# Allegro board reServer J2032_V1.brd (continued)
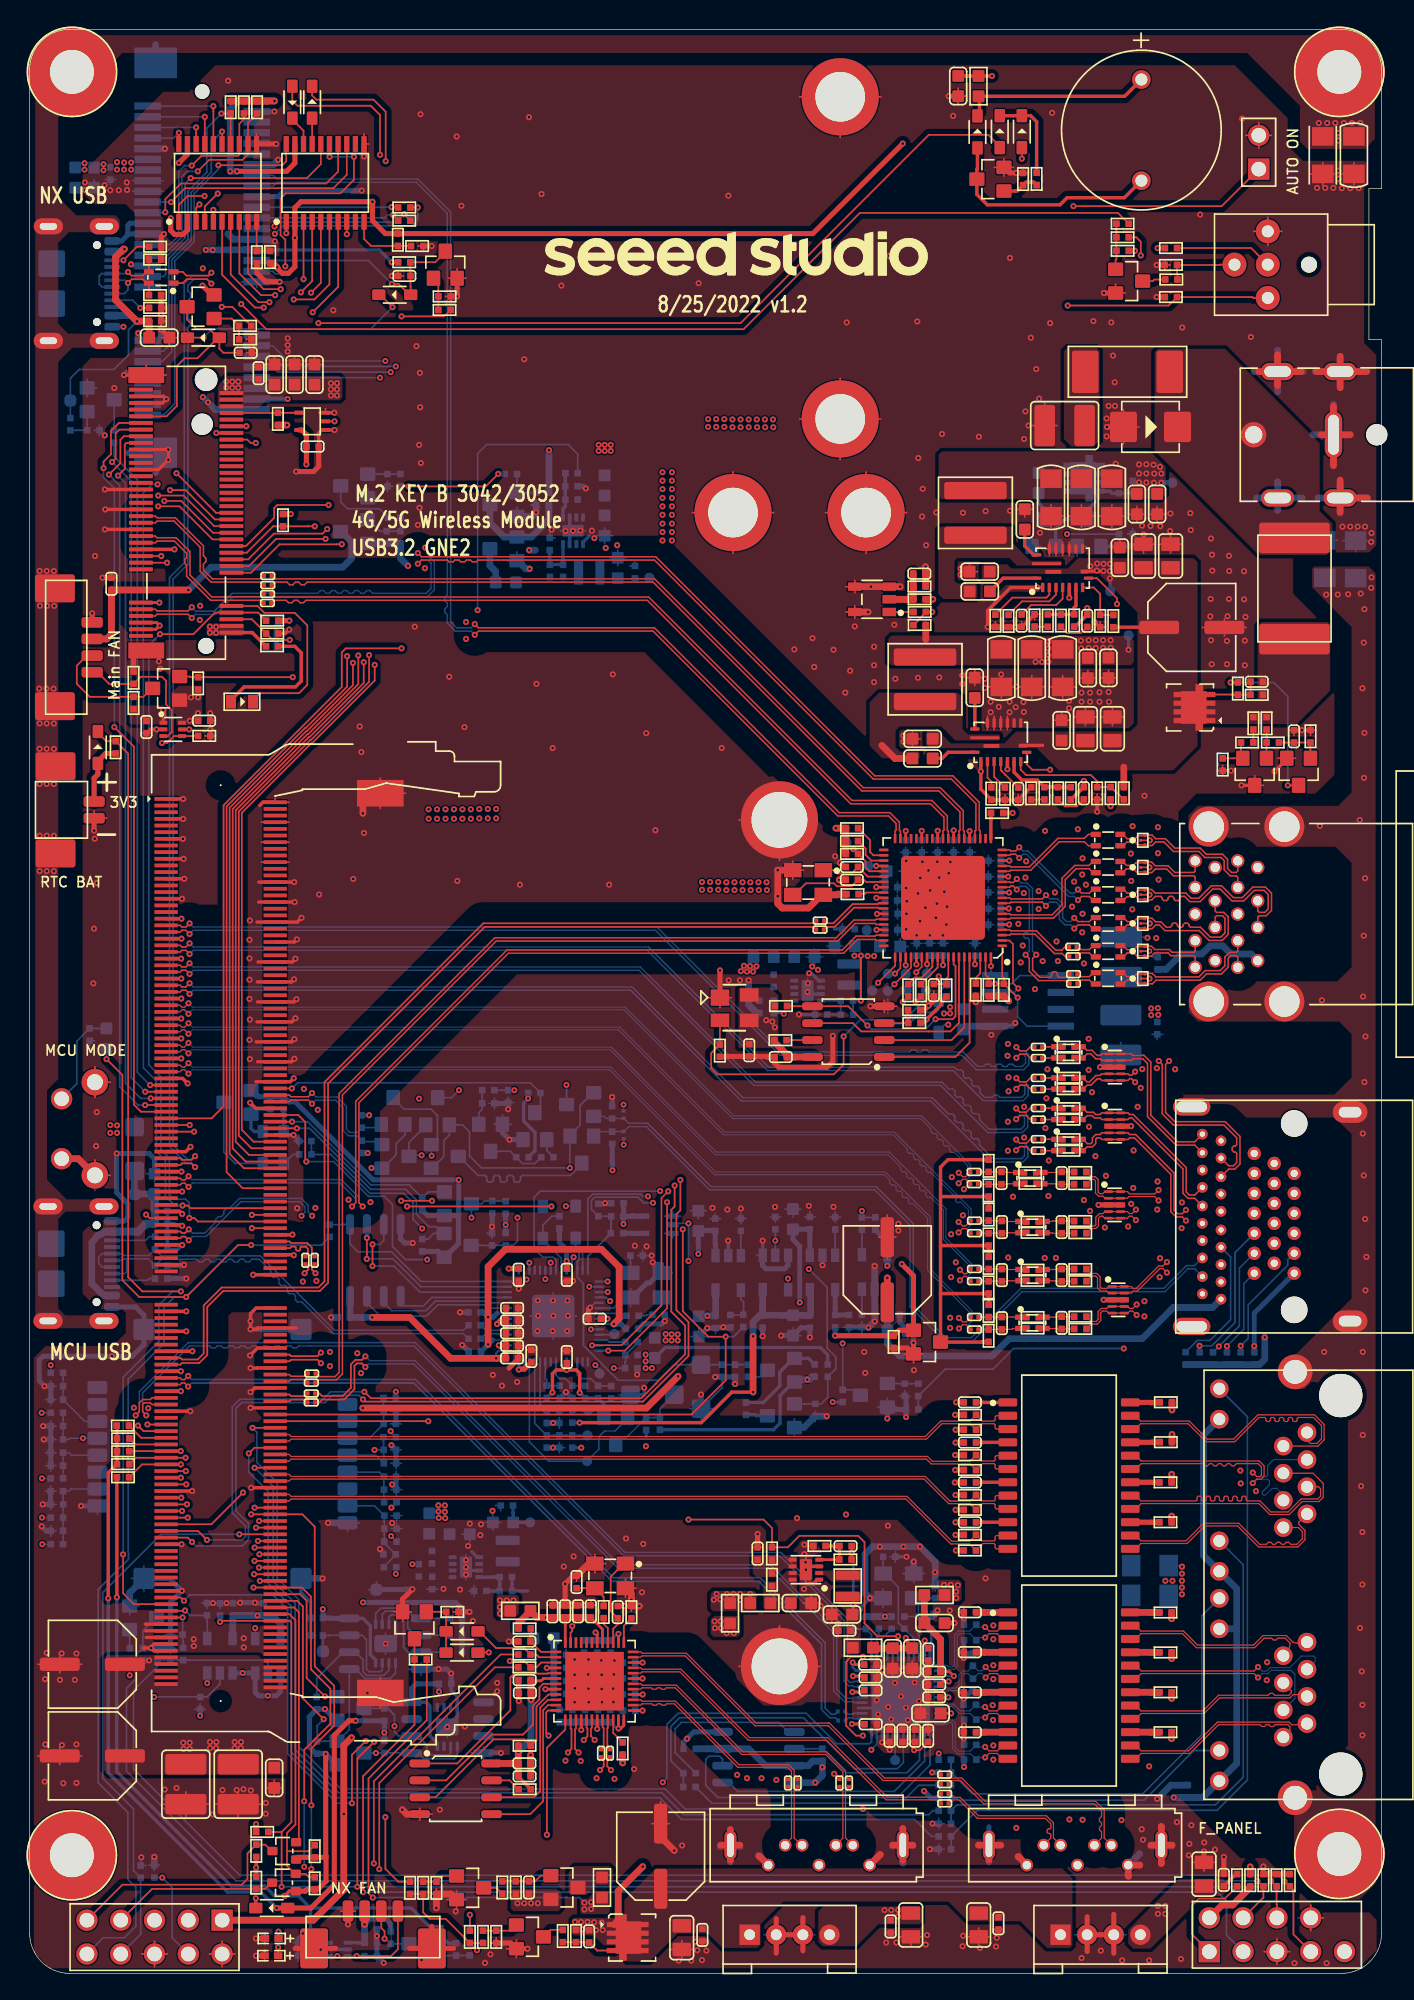
[diagram p0: board, top side]
## Routing (per net, layer and track width the routed paths; a pad name or vN(x,y) marks a point on that pad's centre or on a via; arc(x,y) is an arc through that point) (continued)
  LYR3 w0.121: 96.28,3.22 J4.8 ; J4.8 95.32,4.17 ; J4.8 96.28,5.13 ; J4.8 97.23,4.17 ; J8.7 90.79,80.24 ; J8.7 90.79,78.93 ; J8.7 91.45,79.59 ; J8.7 90.14,79.59 ; 86.94,79.59 J8.16 ; J8.16 87.59,80.24 ; J8.16 88.25,79.59 ; J8.16 87.59,78.93 ; MH5.1 60.92,119.84 ; MH5.1 60.92,113.73 ; MH5.1 63.97,116.79 ; MH5.1 57.86,116.79 ; J12.S2 85.65,9.63 ; J12.S2 85.05,10.89 ; J12.S2 84.45,9.63 ; J12.S2 85.05,8.38 ; J10.S1 53.26,9.63 ; J10.S1 52.06,9.63 ; J10.S1 52.66,8.38 ; J10.S1 52.66,10.89 ; SW2.3 4.9,68.11 ; SW2.3 6.05,66.96 ; SW2.3 4.9,65.8 ; MH2.1 56.35,89.72 ; MH2.1 59.4,86.66 ; MH2.1 56.35,83.61 ; MH2.1 53.3,86.66 ; J12.G1 74.94,8.76 ; J12.G1 75.57,8.13 ; J12.G1 74.31,8.13 ; J12.G1 74.94,7.51 ; 92.78,1.63 J4.5 ; J4.5 94.69,1.63 ; J4.5 93.74,0.68 ; J4.5 93.74,2.59 ; J2.6 10.34,1.45 ; J2.6 8.43,1.45 ; J2.6 9.38,0.5 ; J2.6 9.38,2.41 ; 63.13,7.51 J10.G3 ; J10.G3 62.5,8.13 ; J10.G3 63.76,8.13 ; J10.G3 63.13,8.76 ; 62.86,106.7 MH3.1 ; MH3.1 62.86,112.8 ; MH3.1 59.81,109.75 ; MH3.1 65.91,109.75 ; SW1.2 94.1,130.88 ; SW1.2 92,130.88 ; SW1.2 93.05,131.93 ; SW1.2 93.05,129.83 ; J10.G2 59.32,8.76 ; J10.G2 59.95,8.13 ; J10.G2 58.69,8.13 ; J10.G2 59.32,7.51 ; J10.S2 65.62,10.89 ; J10.S2 66.22,9.63 ; J10.S2 65.62,8.38 ; J10.S2 65.02,9.63 ; 92.29,82.43 J8.4 ; J8.4 92.95,83.09 ; J8.4 91.64,83.09 ; J21.2 92.37,139.05 ; J21.2 91.42,138.1 ; J21.2 93.32,138.1 ; J21.2 92.37,137.14 ; J9.2 56.11,3.82 ; J9.2 55.19,2.9 ; J9.2 57.02,2.9 ; J9.2 56.11,1.99 ; 78.75,7.51 J12.G2 ; J12.G2 79.38,8.13 ; J12.G2 78.75,8.76 ; J12.G2 78.12,8.13 ; MH6.1 52.86,112.8 ; MH6.1 49.81,109.75 ; MH6.1 55.91,109.75 ; MH6.1 52.86,106.7 ; 55.51,7.51 J10.G1 ; J10.G1 54.88,8.13 ; J10.G1 56.14,8.13 ; J10.G1 55.51,8.76 ; J12.G3 83.19,8.13 ; J12.G3 81.93,8.13 ; J12.G3 82.56,7.51 ; J12.G3 82.56,8.76 ; J11.3 81.48,3.82 ; J11.3 82.39,2.9 ; J11.3 81.48,1.99 ; J11.3 80.56,2.9 ; 60.92,137.93 MH4.1 ; MH4.1 57.86,140.99 ; MH4.1 63.97,140.99 ; 57.19,2.9 J9.3 ; J9.3 59.02,2.9 ; J9.3 58.11,3.82 ; J9.3 58.11,1.99 ; MH1.1 56.35,26.12 ; MH1.1 56.35,20.01 ; MH1.1 53.3,23.06 ; MH1.1 59.4,23.06 ; 4.9,61.11 SW2.4 6.05,59.96 ; J12.S1 72.69,9.63 ; J12.S1 71.49,9.63 ; J12.S1 72.09,8.38 ; J12.S1 72.09,10.89 ; 78.56,2.9 J11.2 ; J11.2 79.48,1.99 ; J11.2 79.48,3.82 ; J11.2 80.39,2.9 ; 14.46,0.5 J2.2 ; J2.2 15.42,1.45 ; J2.2 13.51,1.45 ; J2.2 14.46,2.41 ; J8.13 89.75,83.09 ; J8.13 89.09,82.43 ; J8.13 88.44,83.09
  LYR3 w0.381: v1(42.12,50.02) 42.71,49.43 42.71,48.41 43.37,47.76
  LYR3 w0.508: 100.45,110.85 J20.S1 ; J20.S1 96.64,110.85 ; J20.S1 98.49,112.17 ; J20.S1 98.49,109.59 ; 100.26,120.35 J20.S2 ; J20.S2 98.49,119.01 ; J20.S2 98.49,121.54 ; J20.S2 96.68,120.35 ; 96.74,115.6 J20.2 ; J20.2 97.99,118.05 ; J20.2 97.99,113.1 ; J20.2 99.43,115.6 ; 92.09,110.85 J20.S3 ; J20.S3 95.72,110.85 ; J20.S3 93.79,109.48 ; J20.S3 93.79,112.07 ; 91.91,120.35 J20.S4 ; J20.S4 95.65,120.35 ; J20.S4 93.79,119 ; J20.S4 93.79,121.7
  LYR5_GND w0.121: J2.6 10.34,1.45 ; J2.6 9.38,2.41 ; J2.6 9.38,0.5 ; J2.6 8.43,1.45 ; 65.62,10.89 J10.S2 65.62,8.38 ; 81.93,8.13 J12.G3 ; J12.G3 82.56,7.51 ; J12.G3 82.56,8.76 ; J12.G3 83.19,8.13 ; J13.B8 90.09,58.55 ; J13.B8 89.54,59.11 ; J13.B8 88.98,58.55 ; J13.B8 89.54,58 ; 88.14,59.8 J13.B5 ; J13.B5 87.58,60.35 ; J13.B5 88.14,60.91 ; J13.B5 88.69,60.35 ; MH4.1 63.97,140.99 ; MH4.1 60.92,137.93 ; MH4.1 57.86,140.99 ; J10.G1 56.14,8.13 ; J10.G1 55.51,8.76 ; J10.G1 55.51,7.51 ; J10.G1 54.88,8.13 ; 93.54,55.7 J13.A11 ; J13.A11 92.88,56.35 ; J13.A11 94.19,56.35 ; J13.A11 93.54,57.01 ; 91.42,138.1 J21.2 ; J21.2 93.32,138.1 ; J21.2 92.37,137.14 ; J21.2 92.37,139.05 ; 52.66,8.38 J10.S1 ; J10.S1 52.66,10.89 ; J10.S1 52.06,9.63 ; J10.S1 53.26,9.63 ; J13.A8 93.54,58.51 ; J13.A8 92.88,57.85 ; J13.A8 93.54,57.2 ; J13.A8 94.19,57.85 ; J13.B11 88.69,56.35 ; J13.B11 88.14,55.8 ; J13.B11 87.58,56.35 ; J13.B11 88.14,56.91 ; 89.54,62 J13.B2 ; J13.B2 89.54,63.11 ; J13.B2 90.09,62.55 ; J13.B2 88.98,62.55 ; 87.59,78.93 J8.16 ; J8.16 87.59,80.24 ; J8.16 86.94,79.59 ; J8.16 88.25,79.59 ; MH3.1 62.86,112.8 ; MH3.1 59.81,109.75 ; MH3.1 65.91,109.75 ; MH3.1 62.86,106.7 ; SW1.2 93.05,131.93 ; SW1.2 94.1,130.88 ; SW1.2 92,130.88 ; SW1.2 93.05,129.83 ; J13.A17 94.19,53.35 ; J13.A17 93.54,54.01 ; J13.A17 92.88,53.35 ; J13.A17 93.54,52.7 ; J12.G1 75.57,8.13 ; J12.G1 74.94,8.76 ; J12.G1 74.94,7.51 ; J12.G1 74.31,8.13 ; 92.88,60.85 J13.A2 ; J13.A2 93.54,60.2 ; J13.A2 93.54,61.51 ; J13.A2 94.19,60.85 ; J2.2 14.46,2.41 ; J2.2 15.42,1.45 ; J2.2 13.51,1.45 ; J2.2 14.46,0.5 ; 78.75,7.51 J12.G2 ; J12.G2 78.12,8.13 ; J12.G2 78.75,8.76 ; J12.G2 79.38,8.13 ; 52.86,106.7 MH6.1 ; MH6.1 52.86,112.8 ; MH6.1 49.81,109.75 ; MH6.1 55.91,109.75 ; J12.S1 72.09,10.89 ; J12.S1 72.09,8.38 ; J12.S1 72.69,9.63 ; J12.S1 71.49,9.63 ; 63.13,7.51 J10.G3 ; J10.G3 63.13,8.76 ; J10.G3 62.5,8.13 ; J10.G3 63.76,8.13 ; 53.3,23.06 MH1.1 ; MH1.1 56.35,20.01 ; MH1.1 56.35,26.12 ; MH1.1 59.4,23.06 ; J13.B19 88.14,51.61 ; J13.B19 87.58,51.05 ; J13.B19 88.14,50.5 ; J13.B19 88.69,51.05 ; J8.7 90.79,80.24 ; J8.7 90.14,79.59 ; J8.7 90.79,78.93 ; J8.7 91.45,79.59 ; J13.A5 94.19,59.35 ; J13.A5 93.54,58.7 ; J13.A5 93.54,60.01 ; J13.A5 92.88,59.35 ; J8.4 92.29,83.74 ; J8.4 92.95,83.09 ; J8.4 91.64,83.09 ; J8.4 92.29,82.43 ; 57.86,116.79 MH5.1 ; MH5.1 60.92,119.84 ; MH5.1 63.97,116.79 ; MH5.1 60.92,113.73 ; J8.13 89.75,83.09 ; J8.13 88.44,83.09 ; J8.13 89.09,83.74 ; J8.13 89.09,82.43 ; 6.05,59.96 SW2.4 4.9,61.11 ; MH2.1 56.35,89.72 ; MH2.1 56.35,83.61 ; MH2.1 53.3,86.66 ; MH2.1 59.4,86.66 ; J10.G2 59.95,8.13 ; J10.G2 59.32,7.51 ; J10.G2 58.69,8.13 ; J10.G2 59.32,8.76 ; 4.9,65.8 SW2.3 ; SW2.3 4.9,68.11 ; SW2.3 6.05,66.96 ; 82.39,2.9 82.34,2.9 ; 85.05,8.38 J12.S2 ; J12.S2 84.45,9.63 ; J12.S2 85.05,10.89 ; J12.S2 85.65,9.63 ; 89.54,52.7 J13.B16 ; J13.B16 89.54,53.81 ; J13.B16 88.98,53.25 ; J13.B16 90.09,53.25 ; 59.02,2.9 58.98,2.9
  LYR5_GND w0.381: J9.2 J9.3 ; J9.2 56.11,1.85 ; J9.2 56.11,3.99 ; J9.2 54.98,2.9 ; J9.3 58.11,3.99 ; J9.3 58.98,2.9 ; J9.3 58.11,1.85 ; 63.2,8.14 63.99,8.14 ; 63.2,8.14 63.2,8.92 ; 63.2,8.14 62.36,8.14 ; 63.2,8.14 63.2,7.35 ; 95.13,4.17 J4.8 ; J4.8 97.32,4.17 ; J4.8 96.28,3.22 ; 85.94,9.61 85.05,9.61 ; 85.05,9.61 85.05,8.11 ; 85.05,9.61 84.19,9.61 ; 85.05,9.61 85.05,11.11 ; 72.07,9.61 72.96,9.61 ; 72.07,9.61 72.07,11.11 ; 72.07,9.61 71.21,9.61 ; 72.07,9.61 72.07,8.11 ; 59.13,7.3 59.13,8.08 ; 59.13,8.08 58.3,8.08 ; 59.13,8.08 59.13,8.87 ; 59.13,8.08 59.92,8.08 ; 65.62,9.63 J10.S2 66.51,9.63 ; 65.62,9.63 65.62,8.14 ; 65.62,9.63 64.75,9.63 ; 65.62,9.63 65.62,11.13 ; 74.98,7.32 74.98,8.11 ; 74.98,8.11 74.15,8.11 ; 74.98,8.11 74.98,8.9 ; 74.98,8.11 75.77,8.11 ; 78.34,2.9 J11.2 ; J11.2 79.48,1.85 ; J11.2 J11.3 ; J11.2 79.48,3.99 ; 81.48,1.85 J11.3 ; J11.3 81.48,3.99 ; J11.3 82.34,2.9 ; 82.6,8.11 82.6,7.32 ; 82.6,8.11 81.77,8.11 ; 82.6,8.11 83.39,8.11 ; 82.6,8.11 82.6,8.9 ; J4.5 93.74,2.59 ; J4.5 92.62,1.63 ; J4.5 94.83,1.63 ; J4.5 93.74,0.59 ; 77.78,8.11 78.62,8.11 ; 78.62,8.11 79.4,8.11 ; 78.62,8.11 78.62,7.32 ; 78.62,8.11 78.62,8.9 ; 55.53,8.85 55.53,8.06 ; 55.53,8.06 56.32,8.06 ; 55.53,8.06 54.7,8.06 ; 55.53,8.06 55.53,7.27 ; 52.66,9.58 53.55,9.58 ; 52.66,9.58 52.66,11.08 ; 52.66,9.58 51.8,9.58 ; 52.66,9.58 52.66,8.08
  LYR5_GND w0.508: 95.66,110.85 J20.S3 ; J20.S3 92.06,110.85 ; J20.S3 93.79,112.1 ; J20.S3 93.79,109.48 ; 98.49,112 J20.S1 ; J20.S1 96.78,110.85 ; J20.S1 98.49,109.79 ; J20.S1 100.11,110.85 ; 100.34,120.35 J20.S2 ; J20.S2 98.49,121.63 ; J20.S2 98.49,119.21 ; J20.S2 96.83,120.35 ; 99.28,115.6 J20.2 ; J20.2 97.99,113.38 ; J20.2 97.99,117.9 ; J20.2 96.71,115.6 ; 93.79,121.7 J20.S4 ; J20.S4 95.85,120.35 ; J20.S4 93.79,119.08 ; J20.S4 91.88,120.35
  BOTTOM w0.121: C126.2 65.22,82 ; C126.2 65.22,81.19 ; C126.2 65.62,81.6 ; C205.2 51.92,56.7 ; C205.2 51.52,57.1 ; C205.2 51.12,56.7 ; C215.2 20.65,62.53 ; C215.2 20.24,62.94 ; C215.2 19.84,62.53 ; C215.2 20.24,62.13 ; 82.04,76.93 C145.2 ; C145.2 80.34,77.85 ; C145.2 82.04,78.78 ; C145.2 83.75,77.85 ; 57.37,48.51 C202.2 57.97,47.92 ; 27.17,33.42 C254.2 ; C254.2 27.58,33.82 ; C254.2 27.98,33.42 ; 34.53,65.36 R201.2 ; R201.2 34.93,65.76 ; R201.2 34.93,64.96 ; 55.09,53.29 U25.1 54.62,53.95 ; 70.65,77.38 C127.2 ; C127.2 71.05,76.98 ; C127.2 71.45,77.38 ; C127.2 71.05,77.79 ; D47.1 27.52,41.69 ; D47.1 27.12,41.28 ; D47.1 27.92,41.28 ; 92.37,137.14 J21.2 ; J21.2 92.37,139.05 ; J21.2 93.32,138.1 ; J21.2 91.42,138.1 ; U28.4 34.1,17.01 ; U28.4 34.1,16.11 ; U28.4 33.18,16.56 ; 34.34,55.62 C208.2 34.75,55.21 ; D24.1 68.72,9.33 ; D24.1 68.32,8.92 ; D24.1 68.32,9.73 ; C139.2 72.46,82.4 ; C139.2 72.05,82 ; C139.2 71.65,82.4 ; C139.2 72.05,82.8 ; C141.2 72.45,78.79 ; C141.2 72.05,79.2 ; C141.2 72.05,78.39 ; C141.2 71.65,78.79 ; C158.2 40.32,22.38 ; C158.2 40.72,21.98 ; C158.2 40.32,21.57 ; 21.1,24.98 R252.2 21.51,25.38 ; J4.8 97.23,4.17 ; J4.8 96.28,3.22 ; J4.8 96.28,5.13 ; J4.8 95.32,4.17 ; 27.15,36.34 C255.2 ; C255.2 27.95,36.34 ; C255.2 27.55,35.94 ; 13.32,27.42 R55.2 12.92,27.82 ; 39.48,107.85 R45.2 39.08,108.25 ; 1.58,32.84 C239.2 ; C239.2 1.99,33.25 ; C239.2 1.58,33.65 ; 10.57,25.05 C266.2 ; C266.2 10.98,25.45 ; C266.2 10.17,25.45 ; 64.49,72.15 TP20.1 64.49,73.22 ; C146.2 83.71,69 ; C146.2 82.01,68.07 ; C146.2 80.31,69 ; C146.2 82.01,69.93 ; 65.37,43.38 R186.2 ; R186.2 65.77,43.78 ; R186.2 65.77,42.97 ; R186.2 66.17,43.38 ; R156.2 61.98,48.54 ; R156.2 61.58,48.13 ; R156.2 61.18,48.54 ; 66.44,29.35 X2.2 ; X2.2 65.62,30.04 ; X2.2 67.25,30.04 ; R37.2 59.42,72.04 ; R37.2 59.02,71.64 ; R37.2 59.02,72.45 ; D45.1 27.97,34.4 ; D45.1 27.57,34 ; D45.1 27.17,34.4 ; 70.65,83.82 C128.2 ; C128.2 70.65,84.63 ; C128.2 70.25,84.23 ; C128.2 71.05,84.23 ; 68.23,77.39 C137.2 ; C137.2 68.64,77.79 ; C137.2 69.04,77.39 ; C161.2 40.72,23.93 ; C161.2 40.31,24.34 ; C161.2 40.31,23.53 ; C124.2 65.94,83.41 ; C124.2 65.34,82.81 ; C124.2 65.94,82.21 ; C124.2 66.53,82.81 ; 4.32,118.46 Q33.2 ; Q33.2 4.32,119.78 ; Q33.2 5.04,119.12 ; SW2.3 6.05,66.96 ; SW2.3 4.9,68.11 ; SW2.3 4.9,65.8 ; R240.2 5.25,116.33 ; R240.2 5.25,115.53 ; R240.2 4.85,115.93 ; C155.2 40.72,22.95 ; C155.2 40.31,22.54 ; C155.2 40.31,23.35 ; C134.2 68.24,84.62 ; C134.2 67.83,84.22 ; C134.2 68.24,83.82 ; C134.2 68.64,84.22 ; 4.9,70.07 D63.1 4.5,69.67 ; 51.55,48.07 C201.2 51.95,48.48 ; 99.65,106.79 C277.1 ; C277.1 100.62,107.65 ; C277.1 98.68,107.65 ; C277.1 99.65,108.5 ; 9.36,7.72 D64.1 ; D64.1 8.96,8.12 ; D64.1 9.77,8.12 ; 68.32,12.76 D23.1 68.32,13.57 ; 8.59,28.72 J14.1 ; J14.1 8.59,30.62 ; J14.1 7.63,29.67 ; 24.79,33.85 J14.CB5 23.89,33.2 ; 92,130.88 SW1.2 ; SW1.2 93.05,129.83 ; SW1.2 93.05,131.93 ; SW1.2 94.1,130.88 ; C142.2 72.46,79.99 ; C142.2 72.06,80.4 ; C142.2 72.06,79.59 ; C142.2 71.65,79.99 ; R286.2 20.58,1.31 ; R286.2 19.77,1.31 ; R286.2 20.18,0.91 ; 58.98,75.76 C36.2 ; C36.2 58.39,76.36 ; C36.2 58.98,76.96 ; C36.2 59.58,76.36 ; 43.66,23.68 C152.2 ; C152.2 43.25,24.08 ; C152.2 44.06,24.08 ; 36.62,106.79 Q7.2 35.89,106.13 ; D39.1 1.58,36.63 ; D39.1 1.17,36.23 ; D39.1 1.98,36.23 ; C156.2 44.58,22.56 ; C156.2 44.58,21.75 ; C156.2 44.17,22.16 ; 39.81,41.76 R64.2 39.81,40.95 ; 65.83,83.81 C138.2 ; C138.2 66.23,84.21 ; C138.2 65.43,84.21 ; C138.2 65.83,84.62 ; 41.34,19.8 C160.2 ; C160.2 41.74,20.2 ; C160.2 42.15,19.8 ; 66.22,9.63 J10.S2 65.02,9.63 ; D59.1 85.15,70.55 ; D59.1 84.34,70.55 ; D59.1 84.75,70.15 ; 49.6,42.43 D7.1 ; D7.1 50.46,41.58 ; D7.1 51.31,42.43 ; 49.69,47.84 C200.2 ; C200.2 50.29,48.44 ; C200.2 50.88,47.84 ; 65.43,76.55 C130.2 ; C130.2 65.43,77.74 ; C130.2 66.02,77.15 ; 1.18,43.11 D41.1 ; D41.1 1.58,43.51 ; D41.1 1.98,43.11 ; D41.1 1.58,42.71 ; C106.2 65.06,31.7 ; C106.2 64.66,31.3 ; C106.2 65.06,30.9 ; 30.65,28.87 C37.2 29.84,28.87 ; 12.41,19.84 R56.2 ; R56.2 13.21,19.84 ; R56.2 12.81,20.25 ; U8.1 48.32,57.25 ; U8.1 47.72,56.89 ; U8.1 48.93,56.89 ; R63.2 39.81,39.9 ; R63.2 40.21,39.5 ; R63.2 39.81,39.1 ; 57.19,2.9 J9.3 ; J9.3 58.11,1.99 ; J9.3 59.02,2.9 ; 84.77,76.75 D60.1 84.37,76.35 ; C140.2 72.46,81.21 ; C140.2 72.05,80.8 ; C140.2 72.05,81.61 ; C140.2 71.65,81.21 ; Q6.2 36.62,110.12 ; Q6.2 36.62,108.8 ; Q6.2 35.89,109.46 ; 59.04,41.46 R69.2 ; R69.2 58.64,41.86 ; R69.2 59.04,42.26 ; 26.49,111.72 R296.2 ; R296.2 27.29,111.72 ; R296.2 26.89,112.12 ; R296.2 26.89,111.32 ; 24.68,110.86 Q43.2 ; Q43.2 26.13,110.86 ; Q43.2 25.4,111.53 ; 26.09,0.89 R285.2 25.68,1.29 ; C135.2 67.64,77.8 ; C135.2 67.24,77.4 ; C135.2 68.04,77.4 ; J11.2 80.39,2.9 ; J11.2 79.48,1.99 ; J11.2 78.56,2.9 ; R207.2 56.45,56.83 ; R207.2 56.04,56.43 ; R207.2 55.64,56.83 ; 1.98,40.11 D42.1 1.58,40.52 ; 15.91,127.09 J16.18 17.06,126.66 ; 9.61,24.04 R60.2 9.61,24.85 ; R29.2 83.29,108.15 ; R29.2 82.89,108.56 ; R29.2 82.49,108.15 ; 84.45,9.63 J12.S2 85.65,9.63 ; C42.2 60.49,77.79 ; C42.2 60.49,76.59 ; C42.2 61.09,77.19 ; C42.2 59.9,77.19 ; 62.54,48.95 R191.2 62.54,48.15 ; 33.39,28.33 R36.2 ; R36.2 33.39,29.14 ; R36.2 32.99,28.74 ; R157.2 60.94,56.81 ; R157.2 60.54,56.41 ; R157.2 60.54,57.22 ; R157.2 60.14,56.81 ; D25.1 68.32,11.66 ; D25.1 68.72,11.26 ; D25.1 68.32,10.86 ; 44.2,105.75 C52.2 ; C52.2 43.6,106.35 ; C52.2 44.2,106.95 ; C52.2 44.79,106.35 ; R153.2 53.45,57.12 ; R153.2 53.05,56.71 ; R153.2 53.45,56.31 ; R153.2 53.86,56.71 ; 8.43,1.45 J2.6 ; J2.6 10.34,1.45 ; J2.6 9.38,2.41 ; J2.6 9.38,0.5 ; 31.38,17.71 v1(31.38,18.52) 31.38,19.32 ; 52.54,10.89 52.54,10.88 ; C143.2 65.61,80.61 ; C143.2 65.21,80.21 ; C143.2 65.21,81.01 ; 13.51,1.45 J2.2 ; J2.2 15.42,1.45 ; J2.2 14.46,0.5 ; J2.2 14.46,2.41 ; 66.66,76.98 C125.2 ; C125.2 67.06,77.38 ; C125.2 66.66,77.78 ; C125.2 66.25,77.38 ; 27.14,37.32 D46.1 ; D46.1 27.95,37.32 ; D46.1 27.55,37.72 ; 29.42,22.41 U30.4 ; U30.4 28.49,22.86 ; U30.4 29.42,23.31 ; 78.73,106.49 Q5.2 ; Q5.2 79.39,107.21 ; Q5.2 78.07,107.21 ; C251.2 6.46,134.77 ; C251.2 6.05,134.37 ; C251.2 5.65,134.77 ; C228.2 36.36,65.43 ; C228.2 35.56,65.43 ; C228.2 35.96,65.83 ; 45.15,42.62 D66.1 44.3,43.47 ; 50.25,56.7 C204.2 ; C204.2 49.65,57.3 ; C204.2 50.85,57.3 ; C157.2 43.65,20.21 ; C157.2 43.24,19.8 ; C157.2 44.05,19.8 ; 64.14,28.88 X2.4 64.14,27.5 ; C151.2 42.7,20.2 ; C151.2 43.1,19.79 ; C151.2 42.29,19.79 ; C240.2 1.99,35.24 ; C240.2 1.59,35.64 ; C240.2 1.59,34.83 ; 27.12,42.26 C256.2 ; C256.2 27.93,42.26 ; C256.2 27.53,42.66 ; 58.46,72.87 U5.9 58.46,74.78 ; C136.2 69.43,84.62 ; C136.2 69.03,84.22 ; C136.2 69.83,84.22 ; C136.2 69.43,83.82 ; C207.2 58.63,57.23 ; C207.2 59.04,56.83 ; C207.2 58.23,56.83 ; 65.22,77.99 C131.2 ; C131.2 65.22,78.8 ; C131.2 65.62,78.4 ; 1.58,44.52 C242.2 1.98,44.12 ; 26.75,25.58 v1(26.75,24.78) 26.75,23.97 ; J4.5 94.69,1.63 ; J4.5 93.74,2.59 ; J4.5 93.74,0.68 ; J4.5 92.78,1.63 ; C129.2 72.46,83.59 ; C129.2 72.06,84 ; C129.2 72.06,83.19 ; C129.2 71.66,83.59 ; 48.32,55.24 U8.3 47.72,55.59 ; 7.51,26.95 Q41.2 8.23,27.61 ; 42.62,108.01 C47.2 ; C47.2 43.81,108.01 ; C47.2 43.21,108.61 ; C47.2 43.21,107.41 ; 37.6,49.38 U10.57 ; U10.57 41.11,49.38 ; U10.57 39.35,47.63 ; U10.57 39.35,51.14 ; 97.34,106.82 R260.1 ; R260.1 96.37,107.67 ; R260.1 97.34,108.52 ; R260.1 98.3,107.67 ; 1.18,38.15 C241.2 ; C241.2 1.58,37.74 ; C241.2 1.98,38.15 ; 33.08,32.4 C38.2 32.48,33 ; 26.11,1.29 26.49,1.29 ; 45.09,105.74 C53.2 45.49,106.15 ; C163.2 44.59,23.75 ; C163.2 44.59,22.95 ; C163.2 44.18,23.35 ; 42.25,24.09 C164.2 ; C164.2 42.66,23.68 ; C164.2 43.06,24.09 ; 4.25,134.15 C250.2 ; C250.2 4.85,134.75 ; C250.2 5.44,134.15 ; 10.02,133.89 J16.35 7.71,133.89 ; 1.58,41.52 C243.2 1.98,41.12 ; 46.07,53.52 C74.2 ; C74.2 46.07,54.33 ; C74.2 45.67,53.93 ; C74.2 46.48,53.93 ; C154.2 41.2,19.8 ; C154.2 40.39,19.8 ; C154.2 40.79,20.2 ; 72.69,9.63 J12.S1 71.49,9.63 ; 13.91,27.8 D21.1 ; D21.1 14.71,27.8 ; D21.1 14.31,27.4 ; R101.2 68.16,26.79 ; R101.2 67.75,27.2 ; R101.2 67.35,26.79 ; C132.2 65.63,79.61 ; C132.2 65.22,80.02 ; C132.2 65.22,79.21 ; 34.22,33.88 C40.2 ; C40.2 34.81,34.48 ; C40.2 35.41,33.88 ; C40.2 34.81,33.28 ; Q4.2 75.33,107.94 ; Q4.2 75.99,107.21 ; Q4.2 75.33,106.49 ; 61.08,78.86 C43.2 61.08,78.06 ; Q30.2 35.53,64.52 ; Q30.2 36.19,63.79 ; Q30.2 34.87,63.79 ; 8.34,8.51 D20.1 8.74,8.1 ; C153.2 44.58,21.36 ; C153.2 44.58,20.55 ; C153.2 44.18,20.95 ; 14.87,27.81 C70.1 15.68,27.81 ; Q22.2 64.46,43.21 ; Q22.2 63.73,42.54 ; Q22.2 65.18,42.54 ; 57.86,140.99 MH4.1 ; MH4.1 60.92,137.93 ; MH4.1 63.97,140.99 ; 48.29,52.63 X1.2 47.48,51.94 ; 34.99,35.15 C41.2 35.4,34.75 ; 41.26,24.09 C162.2 ; C162.2 42.07,24.09 ; C162.2 41.66,23.69 ; D48.1 27.54,38.71 ; D48.1 27.14,38.31 ; D48.1 27.54,37.91 ; D48.1 27.95,38.31 ; 25.45,28.83 TP26.1 26.06,29.43 ; SW2.4 6.05,59.96 ; SW2.4 4.9,61.11 ; SW2.4 4.9,58.8 ; 41.79,108.38 v1(40.83,108.38) 39.88,108.38 ; 55.19,2.9 J9.2 ; J9.2 57.02,2.9 ; J9.2 56.11,1.99 ; 81.48,1.99 J11.3 ; J11.3 82.39,2.9 ; J11.3 80.56,2.9 ; 37.65,110.32 R49.2 38.06,110.73 ; C159.2 40.24,19.79 ; C159.2 39.43,19.79 ; C159.2 39.84,20.2 ; D40.1 1.98,39.12 ; D40.1 1.58,39.53 ; D40.1 1.18,39.12 ; D40.1 1.58,38.72 ; 40.32,20.61 C166.2 ; C166.2 40.72,21.01 ; C166.2 40.32,21.41 ; 53.26,9.63 J10.S1 52.06,9.63 ; 9.38,59.48 C258.2 8.79,60.08 ; C133.2 67.04,84.62 ; C133.2 66.64,84.22 ; C133.2 67.45,84.22 ; C133.2 67.04,83.82 ; 57.36,56.83 C206.2 ; C206.2 57.96,57.42 ; C206.2 56.77,57.42 ; 65.99,47.67 C221.2 65.39,48.27 ; D19.1 10.98,24.44 ; D19.1 10.58,24.03 ; D19.1 10.17,24.44 ; 7.71,134.69 J16.37 10.02,134.69 ; C165.2 44.59,20.15 ; C165.2 44.59,19.34 ; C165.2 44.19,19.74 ; 68.06,28.72 C107.2 67.65,29.12 ; 45.18,50.09 X1.4 45.18,51.47 ; 19.78,2.31 C284.2 20.19,1.91 ; 27.93,39.34 C257.2 27.12,39.34 ; 32.79,29.57 v1(32.79,30.52) 32.79,31.47 ; 5.09,34.47 J14.CA5 5.99,35.12 ; 57.47,40.34 Q9.2 57.47,41.67 ; 65.74,10.89 65.74,10.88
  BOTTOM w0.127: 52.48,44.81 52.48,44.81 C77.2 52.04,44.01 D7.1
  BOTTOM w0.152: v1(42.12,50.02) 42.49,50.38 U10.19
  BOTTOM w0.203: U16.49 64.47,19.94 64.42,19.94 64.42,19.75 63.87,19.2 63.65,19.2 63.5,19.35 63.5,19.57 63.86,19.94 U16.40
  BOTTOM w0.254: v1(58.58,75.14) 58.75,75.14 59.32,74.58 U5.1 ; v1(20.53,3) 20.19,2.66 C284.2 20.18,2.3 R286.2 ; 46.33,40.33 R276.2 ; U6.1 41.58,107.53 42.06,108.01 ; U33.2 U33.5 22.08,1.8 22.06,1.79 v1(21.87,1.79) ; v1(7.61,128.4) 7.73,128.29 J16.21 ; C43.2 60.49,78.46 ; v1(11.47,57.06) 11.24,57.28 R239.2 10.35,57.27 D49.1 ; R282.2 44.89,43.21 D66.1 46.17,43.47 46.17,43.52 46.18,43.54 v1(46.18,44) ; U5.9 58.71,73.58 U5.3 ; U23.2 v1(59.59,53.21) ; R252.2 21.1,25.89 21.11,25.89 C261.2 21.11,27.9 20.39,28.62 J14.2 ; U4.1 33.64,31.27 33.22,31.68 ; C215.2 19.83,62.94 v1(19.83,62.99) ; U22.2 v1(52.5,55.05) ; C106.2 v1(65.9,31.3) ; U6.3 40.58,108.13 v1(40.83,108.38) 40.58,108.63 U6.6 ; D49.1 10.86,56.32 11.01,56.17 v1(11.46,56.17) ; D49.1 10.35,55.36 R242.2 10.34,55.35 D51.1 11.14,54.39 v1(11.47,54.72) ; U34.4 27.5,25.33 26.95,24.78 v1(26.75,24.78) ; v1(31.38,18.52) 31.58,18.52 32.07,19 32.07,19.2 32.13,19.27 U29.4 32.13,20.8 31.68,21.25 C260.2 ; 17.36,127.09 J16.18 ; v1(5.65,115.55) 5.27,115.93 R240.2 ; R188.1 25.51,64.47 v1(25.51,64.47) ; J18.B12 v1(7.04,123.71) ; U4.3 33.04,30.27 v1(32.79,30.52) ; U25.1 v1(55.09,55.05) ; R37.2 v1(57.82,72.04) ; R100.2 62.5,27.33 62.5,27.54 v1(63.15,28.19)
  BOTTOM w0.381: v1(27.19,39.68) 27.53,39.34 C257.2 27.53,38.33 D48.1 ; v1(46.82,53.42) 46.98,53.27 47.48,53.27 47.43,53.22 47.43,52.68 X1.2 47.35,52.63 46.59,51.87 46.4,51.87 45.3,50.78 X1.4 ; D47.1 27.53,41.29 C256.2 ; 71.26,9.61 72.09,9.61 ; 72.09,9.61 72.88,9.61 ; 72.09,9.61 72.09,11.01 ; C75.2 39.15,41.35 39.15,41.36 v1(39.34,41.36) R64.2 ; J18.B1 6.92,130.16 7.45,130.69 ; C72.1 16.97,27.82 v1(16.93,27.85) v1(15.81,27.85) ; J16.54 10.18,114.24 v1(10.42,114.49) ; C222.2 65.39,48.9 65.77,48.52 65.99,48.52 C221.2 66.42,47.83 v1(66.42,47.38) ; 52.66,9.48 52.66,10.88 ; 52.66,9.48 51.83,9.48 ; 52.66,9.48 53.45,9.48 ; v1(10.09,130.68) 10.08,130.69 J16.27 7.45,130.69 ; v1(1.01,41.12) C243.2 1.58,40.11 D42.1 ; R156.2 61.59,48.55 R191.2 62.92,48.55 62.95,48.52 v1(63.04,48.52) ; U25.1 55.07,53.93 55.07,53.21 55.34,52.94 56.72,52.94 56.99,53.21 U25.3 ; D42.1 v1(1.05,40.11) ; D42.1 1.58,39.12 D40.1 1.58,39.12 C241.2 ; J17.B12 7.96,50.07 8.59,49.44 J14.3 8.59,47.24 7.71,46.36 v1(6.18,46.36) 1,46.36 0.72,46.08 0.72,44.51 v1(1.11,44.12) C242.2 D41.1 ; v1(70.2,17.65) 70.23,17.62 D73.1 ; R201.2 35.89,65.36 C228.2 v1(35.96,64.92) ; TP20.1 63.72,72.69 63.7,72.66 v1(63.19,72.66) ; 7.45,130.69 7.38,130.76 7.38,131.33 7.54,131.49 J16.29 ; J14.CA5 v1(3.86,35.12) ; C260.2 v1(31.68,22.53) 31.35,22.86 v1(30.73,22.86) U30.4 ; v1(40.31,43.67) 40.75,43.23 R279.2 ; v1(40.31,43.67) 40.31,43.67 40.22,43.58 ; v1(40.31,43.67) 40.22,43.58 ; 85.84,9.51 85.05,9.51 ; 85.05,9.51 85.05,10.9 ; 85.05,9.51 84.21,9.51 ; D39.1 1.58,35.25 C240.2 v1(0.97,35.24) ; D71.1 70.19,20.64 v1(70.2,20.65) 70.77,21.22 D70.1 ; C219.2 v1(65.87,41.8) ; C219.2 65.87,43.28 R186.2 ; C219.2 64.64,42.37 Q22.2 v1(64.46,41.69) ; J14.4 17.43,48.37 17.41,48.39 v1(16.6,48.39) ; 66.41,9.53 65.62,9.53 ; 65.62,9.53 64.78,9.53 ; 65.62,9.53 65.62,10.93 ; v1(28.79,54.87) 28.18,54.87 27.88,55.17 U9.4 ; C208.2 v1(34.75,56.11) 34.77,56.12 C209.2 ; C239.2 1.24,33.25 v1(0.9,33.59) ; v1(27.24,36.74) 27.55,36.42 C255.2 27.55,36.34 D46.1 ; v1(50.45,43.49) 50.46,43.49 D7.1 ; C68.1 v1(43.24,57.87) 43.19,57.81 C69.2 ; C253.2 26.58,31.62 v1(26.32,31.88) ; D24.1 v1(67.65,9.33) ; v1(18.42,130.13) 18.4,130.16 18.12,130.16 17.99,130.29 J16.26 ; U28.4 v1(35.42,16.56) ; C103.2 49.14,17.36 v1(49.41,17.63) 49.92,18.14 U15.4 ; J16.15 9.63,122.69 9.86,122.92 9.86,123.48 v1(9.89,123.5) 9.89,123.28 ; R193.2 v1(43.77,65.84) ; D74.1 v1(70.22,15.51) ; D22.1 67.83,15.09 v1(67.83,15.09) ; C55.2 v1(32.34,49.67) ; D23.1 67.75,13.16 v1(67.22,13.7) ; R241.2 v1(11.77,52.2) ; v1(53.02,44.28) 53.02,44.28 R259.2 C77.2 v1(51.52,44.81) ; R192.1 v1(25.4,61.64) ; U19.1 73.83,71.16 v1(74.08,71.41) ; J16.34 18.68,133.49 19.14,133.94 v1(24.95,133.94) ; C258.2 9.38,61.19 8.98,61.6 v1(6.54,61.6) 6.54,58.66 7.38,57.82 7.38,56.8 7.1,56.52 J17.B1 ; J16.9 7.29,120.29 v1(7.08,120.09) ; 40.22,43.58 39.87,43.23 R277.2 ; Q30.2 35.53,63.16 v1(36.06,62.64) Q29.2 ; v1(18.39,139.89) J16.50 ; J14.1 10.5,29.67 v1(11.44,28.74) 10.57,27.88 C266.2 10.58,25.45 D19.1 10.57,24.44 R60.2 v1(9.13,24.44) ; C73.2 v1(47.72,49.01) 47.51,48.8 46.14,48.8 45.76,48.43 C54.2 ; D68.1 70.22,24.21 70.2,24.2 v1(70.2,23.69) 70.54,24.03 D69.1 ; R63.2 v1(39.33,39.5) 39.33,39.5 C76.2 ; U12.1 18.86,21.19 18.53,20.86 v1(17.89,20.86) 17.21,20.86 16.95,21.11 U12.3 v1(16.01,22.57) U11.1 ; v1(56.48,47.92) C202.2 57.96,48.5 C203.2 v1(58.63,47.79) ; v1(41.79,111.56) 41.63,111.73 C48.2 ; v1(45.65,44.99) 45.67,45 C71.2 ; v1(28.76,28.86) 28.25,28.86 28.22,28.83 TP26.1 ; C200.2 v1(50.92,48.48) C201.2 51.6,48.54 R155.2 ; v1(19.39,118.29) J16.4 ; U11.3 v1(13.34,21.8) ; v1(13.79,27.82) R55.2 ; C234.1 v1(55.08,47.87) ; C56.2 v1(32.51,47.21) ; v1(26.6,0.79) 26.11,1.29 R285.2 26.09,2.29 C283.2 26.1,2.8 v1(26.09,2.8) C282.2 ; D67.1 v1(70.22,26.68) ; R56.2 v1(12.81,19.36) ; D52.1 11.53,53.17 v1(11.6,53.24) ; D25.1 v1(67.85,11.26) ; v1(18.78,127.09) 17.36,127.09 ; D72.1 v1(70.22,18.62)
  BOTTOM w0.508: J14.1 7.51,28.59 Q41.2 ; v1(92.82,47.78) 92.82,46.13 92.43,45.74 D35.1 91.02,45.74 D36.1 89.98,45.74 D34.1 88.94,45.74 D37.1 87.92,45.74 D38.1 86.88,45.74 R208.2 ; J12.G3 83.4,8.97 83.4,9 ; v1(63.5,53.14) U24.2 v1(63.5,48.98) v1(63.04,48.52) ; v1(84.74,13.11) 85.77,14.14 D65.1 ; v1(54.04,74.61) 54.04,73.62 54.03,73.27 54.03,72.76 54.64,72.15 C35.2 ; J14.CB5 v1(22.43,33.85) ; U19.1 70.41,71.16 C144.2 ; J10.S1 52.66,8.38 ; 14.89,130.69 15.3,130.29 J16.26 ; J20.S4 93.79,121.95 ; J20.S4 93.79,118.82 ; J20.S4 92.01,120.35 ; J20.S4 95.72,120.35 ; 54.77,8.87 J10.G1 ; v1(37.57,105.53) 37.29,105.53 36.68,106.13 Q7.2 ; J20.S2 98.49,119.18 ; J20.S2 100.16,120.35 ; J20.S2 96.61,120.35 ; J20.S2 98.49,121.47 ; D64.1 v1(9.36,8.75) ; J20.2 97.99,117.88 ; J20.2 96.43,115.6 ; J20.2 97.99,113.3 ; J20.2 99.24,115.6 ; J20.S1 100.18,110.85 ; J20.S1 98.49,111.99 ; J20.S1 98.49,109.71 ; J20.S1 96.83,110.85 ; v1(18.68,136.25) 18.31,135.89 J16.40 ; Q9.2 58.18,41.01 R69.2 v1(59.9,41.86) ; v1(68.23,27.27) R101.2 ; 7.45,114.24 J16.54 9.46,112.76 ; J14.2 v1(22.01,29.67) ; Q6.2 37.76,109.46 v1(38.06,109.76) R49.2 ; J12.S1 72.09,8.38 ; J20.S3 92.21,110.85 ; J20.S3 93.79,112.07 ; J20.S3 95.64,110.85 ; J20.S3 93.79,109.92 ; 65.64,8.29 65.62,8.31 J10.S2 ; C107.2 v1(68.06,30.13) 68.06,30.92 v1(66.91,32.06) v1(65.67,32.06) v1(63.89,32.06) 63.36,32.06 62.79,31.49 62.79,28.57 63.15,28.21 v1(63.15,28.19) X2.4 ; J16.43 v1(10.17,137.09) ; C67.2 v1(22.67,49.28) ; 63.89,8.9 63.89,8.89 J10.G3 ; X2.2 v1(66.44,30.94) ; J12.S2 85.05,8.38
  vias: v1(1.15,22.11) v1(1.18,17.2) v1(1.13,14.41) v1(1.28,24.09) v1(2.27,22.05) v1(2.4,24.04) v1(2.42,17.15) v1(2.52,14.28) v1(3.39,22.05) v1(3.51,24.04) v1(3.51,17.2) v1(3.51,14.31) v1(4.15,134.55) v1(4.18,133.99) v1(4.84,78.49) v1(4.78,74.38) v1(4.91,106.48) v1(4.89,85.25) v1(5.04,81.92) v1(5.04,64.7) v1(4.99,62.16) v1(5.62,134.35) v1(6.05,133.97) v1(6.36,119.11) v1(6.69,133.97) v1(7.3,134.55) v1(7.32,133.99) v1(7.83,42.5) v1(8.16,123.23) v1(8.39,8.72) v1(8.91,42.46) v1(9.82,98.02) v1(10.14,13.81) v1(11.03,13.93) v1(12.33,25.1) v1(12.33,24.59) v1(12.81,102.75) v1(12.79,101.68) v1(13.01,128.1) v1(13.78,11.95) v1(14.49,13.77) v1(14.79,27.82) v1(14.92,142.2) v1(15.55,13.77) v1(16.07,13.83) v1(16.09,25.18) v1(16.09,24.49) v1(16.55,79.1) v1(16.52,77.65) v1(16.52,76.26) v1(16.52,74.66) v1(16.52,73.21) v1(16.55,71.66) v1(16.52,70.14) v1(16.55,68.69) v1(16.62,13.75) v1(17.74,12.81) v1(17.74,12) v1(19.39,122.84) v1(19.39,122.33) v1(19.39,121.85) v1(20.1,57.49) v1(20.53,51.98) v1(20.61,66.45) v1(21.47,57.51) v1(21.55,52.03) v1(21.65,64.88) v1(21.75,81.06) v1(22.56,46.69) v1(22.56,45.63) v1(22.82,124.95) v1(23.96,58.12) v1(24.32,82.23) v1(24.62,46.59) v1(24.8,93.68) v1(24.93,91.75) v1(24.9,45.09) v1(25.13,85.68) v1(25.61,57.94) v1(27.24,33.84) v1(28.94,101.18) v1(29.07,122.26) v1(29.17,108.82) v1(29.27,114.84) v1(29.37,139.68) v1(29.32,120.25) v1(29.35,117.66) v1(29.3,110.12) v1(29.4,113.47) v1(29.73,107.12) v1(29.7,105.57) v1(30.82,12.3) v1(31.1,28.89) v1(31.53,97.42) v1(32.01,4.66) v1(32.09,138.01) v1(32.14,82.07) v1(32.34,28.84) v1(32.45,132.8) v1(32.67,93.63) v1(32.7,18.55) v1(32.79,101.53) v1(32.79,100.26) v1(32.79,31.05) v1(32.79,29.96) v1(32.95,32.11) v1(33.08,33.79) v1(33.31,26.47) v1(33.87,32.93) v1(33.92,33.74) v1(34.22,0.79) v1(34.63,1.43) v1(34.78,34.75) v1(34.81,44.97) v1(35.14,21.83) v1(35.14,21.19) v1(35.49,44.15) v1(36.64,44.43) v1(36.71,49.51) v1(36.71,48.57) v1(36.71,47.61) v1(36.74,46.69) v1(36.84,81.8) v1(37.17,121.27) v1(37.53,139.45) v1(38.08,96.88) v1(38.16,48.27) v1(38.19,50.55) v1(38.21,49.41) v1(38.47,133.69) v1(39.23,108.47) v1(39.3,92.06) v1(39.33,50.55) v1(39.35,49.41) v1(39.3,48.27) v1(39.76,27.67) v1(39.96,126.8) v1(40.14,30.56) v1(40.27,108.38) v1(40.27,15.98) v1(40.42,50.55) v1(40.45,49.41) v1(40.4,48.27) v1(40.88,31.33) v1(40.95,23.58) v1(40.95,22.44) v1(40.98,21.42) v1(40.95,20.37) v1(41.39,108.4) v1(41.41,15.96) v1(41.97,22.46) v1(42,23.58) v1(42,21.39) v1(42.02,20.38) v1(42.25,108.39) v1(42.44,107.83) v1(42.61,14.66) v1(42.96,23.51) v1(42.99,22.44) v1(42.99,21.37) v1(43.01,20.38) v1(43.29,107.09) v1(43.55,81.8) v1(43.82,97.59) v1(43.85,21.39) v1(43.88,20.38) v1(43.95,23.5) v1(43.9,22.46) v1(43.95,14.61) v1(44.15,107.3) v1(44.82,32.67) v1(45.48,54.67) v1(45.42,15.35) v1(46.01,28.63) v1(46.11,32.27) v1(46.34,93.17) v1(46.36,54.62) v1(46.31,39.61) v1(46.75,53.93) v1(47.03,85.88) v1(48.78,0.96) v1(49.03,9.61) v1(49.72,0.96) v1(50.02,2.37) v1(50.17,1.73) v1(50.28,126.98) v1(50.53,1) v1(50.86,1.71) v1(51.32,57.51) v1(52,92.06) v1(52.13,48.55) v1(52.44,57.39) v1(52.51,133.56) v1(52.54,74.61) v1(53.17,14.92) v1(53.38,74.61) v1(53.45,57.46) v1(53.91,14.66) v1(55,14.66) v1(56.02,57.59) v1(56.12,14.54) v1(57.47,99.47) v1(57.67,34.2) v1(58.23,32.21) v1(58.23,31.5) v1(58.2,28.89) v1(58.31,30.89) v1(58.48,74.38) v1(58.46,73.74) v1(58.56,57.67) v1(58.84,100.31) v1(58.81,75.65) v1(58.96,98.15) v1(59.24,75.39) v1(59.45,27.59) v1(60.41,99.45) v1(60.41,57.59) v1(60.46,14.99) v1(60.54,83.93) v1(60.74,26.3) v1(61.3,96.22) v1(61.35,34.47) v1(61.4,124.04) v1(61.66,97.87) v1(62.01,101.2) v1(62.72,46.69) v1(62.8,45.12) v1(63.46,99.68) v1(63.46,98.28) v1(63.46,97.01) v1(63.66,20.53) v1(63.74,21.75) v1(63.76,19.46) v1(64.12,22.77) v1(64.37,2.32) v1(64.5,33.64) v1(64.53,20.02) v1(64.6,129.04) v1(64.75,19.08) v1(64.98,101.33) v1(65.06,97.26) v1(65.03,21.83) v1(65.14,2.32) v1(65.29,56.32) v1(65.29,55.81) v1(65.57,22.77) v1(65.49,20.81) v1(65.67,93) v1(65.67,92.54) v1(65.87,83.58) v1(65.87,81.54) v1(65.87,78.44) v1(65.85,19.97) v1(65.92,80.55) v1(65.9,79.61) v1(66,19.03) v1(66.46,45.32) v1(66.51,21.85) v1(66.66,77.99) v1(66.71,124.11) v1(66.76,97.34) v1(66.76,81.13) v1(66.79,113.85) v1(66.84,20.45) v1(66.94,82.3) v1(66.91,79.05) v1(67.07,109.46) v1(67.01,22.77) v1(67.12,111.54) v1(67.09,83.52) v1(67.37,107.3) v1(67.32,80.07) v1(67.35,2.17) v1(67.45,22.18) v1(67.45,21.22) v1(67.45,2.88) v1(67.55,82.86) v1(67.68,81.36) v1(67.65,77.99) v1(68.13,109.76) v1(68.18,80.37) v1(68.11,79.31) v1(68.21,83.52) v1(68.36,97.37) v1(68.36,82.33) v1(68.56,115.65) v1(68.64,77.99) v1(68.74,81.26) v1(68.95,80.14) v1(68.89,78.8) v1(69.07,82.66) v1(69.17,49.26) v1(69.17,48.5) v1(69.15,27.26) v1(69.2,83.5) v1(69.25,55.53) v1(69.25,52.31) v1(69.3,59.82) v1(69.4,139.55) v1(69.61,53.42) v1(69.96,105.54) v1(69.96,105.09) v1(70.14,109.74) v1(70.09,97.52) v1(70.09,96.88) v1(70.14,56.95) v1(70.16,2.83) v1(70.11,2.04) v1(70.22,58.91) v1(71.33,115.45) v1(71.41,1.91) v1(71.84,109.86) v1(71.79,97.26) v1(71.79,96.58) v1(71.84,29.67) v1(72.22,95.54) v1(72.22,94.75) v1(72.27,70.52) v1(72.37,20.15) v1(72.43,26.14) v1(72.43,25.1) v1(72.43,23.15) v1(72.43,22.11) v1(72.4,19.03) v1(72.43,17.13) v1(72.43,16.06) v1(72.68,2.67) v1(72.63,2.01) v1(72.83,95.16) v1(73.01,97.59) v1(73.52,69.83) v1(73.49,68.94) v1(73.57,67.32) v1(73.57,66.28) v1(73.52,63.99) v1(73.52,61.81) v1(73.54,53.78) v1(73.67,128.89) v1(73.67,109.89) v1(73.64,95.54) v1(73.64,94.75) v1(73.9,58.35) v1(74.08,101.15) v1(74.15,96.68) v1(74.1,95.13) v1(74.15,10.93) v1(74.33,79.97) v1(74.3,78.85) v1(74.48,75.95) v1(74.63,77.22) v1(74.74,115.27) v1(74.69,95.51) v1(74.71,94.77) v1(74.71,81.16) v1(74.74,65.11) v1(74.74,62.8) v1(74.84,117.36) v1(74.84,82.33) v1(74.89,83.55) v1(75.24,122.89) v1(75.55,73.95) v1(75.65,120.53) v1(75.87,118.31) v1(75.83,81.31) v1(75.83,79.97) v1(75.93,108.24) v1(76.13,76.05) v1(76.31,85.83) v1(76.34,63.51) v1(76.29,53.75) v1(76.41,65.74) v1(76.49,67.93) v1(76.57,58.4) v1(76.59,61.07) v1(76.69,123.98) v1(76.84,139.78) v1(77.05,81.21) v1(77.17,77.53) v1(77.12,53.75) v1(77.28,76.05) v1(78.11,95.61) v1(78.11,95.05) v1(78.14,11.56) v1(78.34,80.14) v1(78.5,82.02) v1(78.78,85.96) v1(79.05,96.22) v1(79.05,95.54) v1(79.05,1.15) v1(79.13,83.78) v1(79.11,82.56) v1(79.13,79.61) v1(79.11,78.21) v1(79.13,11.54) v1(79.23,75.88) v1(79.23,58.1) v1(79.38,81.8) v1(79.59,70.21) v1(79.59,67.88) v1(79.61,63.61) v1(79.69,96.22) v1(79.69,95.54) v1(79.69,57.28) v1(79.84,66.2) v1(79.94,124.14) v1(80.1,61.4) v1(80.4,96.25) v1(80.4,95.54) v1(80.5,1.71) v1(80.88,59.93) v1(80.81,56.04) v1(80.93,116.82) v1(80.93,115.48) v1(81.09,117.76) v1(81.09,96.27) v1(81.11,95.54) v1(81.29,124.04) v1(81.42,121.55) v1(81.54,119.54) v1(81.57,117.76) v1(82.05,11.51) v1(82.1,0.97) v1(82.56,56.12) v1(82.76,84.13) v1(82.79,82.07) v1(82.86,79.94) v1(82.79,57.82) v1(82.89,86.19) v1(82.97,61.83) v1(82.94,59.01) v1(83.27,65.11) v1(83.5,66.53) v1(83.58,10.83) v1(83.6,108.77) v1(83.62,67.94) v1(83.68,10.04) v1(83.73,108.11) v1(83.78,88.48) v1(83.78,50.5) v1(83.78,49.36) v1(84.01,77.81) v1(84.13,0.97) v1(84.24,108.74) v1(84.67,77.78) v1(84.74,80.02) v1(84.71,68.01) v1(84.77,59.49) v1(84.74,57.39) v1(84.79,86.11) v1(84.79,84.16) v1(84.85,82.18) v1(84.97,108.72) v1(84.95,53.73) v1(84.92,52.31) v1(85.73,109.68) v1(85.71,108.36) v1(86.09,67.93) v1(86.22,11.36) v1(86.57,55.99) v1(86.52,1.07) v1(86.62,123.65) v1(86.6,57.92) v1(87.16,9.74) v1(87.11,8.87) v1(87.23,109.71) v1(87.26,108.44) v1(87.31,11.13) v1(87.97,132.14) v1(88.27,9.84) v1(88.78,107.8) v1(88.76,103.26) v1(88.73,101.95) v1(88.78,100.16) v1(88.86,106.59) v1(88.83,98.36) v1(88.88,105.39) v1(89.09,9.3) v1(89.98,100.11) v1(89.98,98.36) v1(90.03,101.96) v1(90.13,106.51) v1(90.15,105.37) v1(90.13,103.26) v1(91.12,139.35) v1(91.27,105.34) v1(91.27,103.23) v1(91.37,101.91) v1(91.32,100.13) v1(91.32,98.28) v1(91.78,122.94) v1(95.06,0.77) v1(96.76,134.14) v1(97.37,134.14) v1(97.47,0.77) v1(97.98,134.14) v1(98.36,135.44) v1(98.36,134.83) v1(98.61,134.12) v1(98.66,108.69) v1(99.25,134.12) v1(99.25,108.69) v1(99.88,134.12) v1(99.81,108.69) v1(100.37,108.69) v1(100.85,108.21) v1(100.82,107.55)
